# KiCad board ui.kicad_pcb (continued)
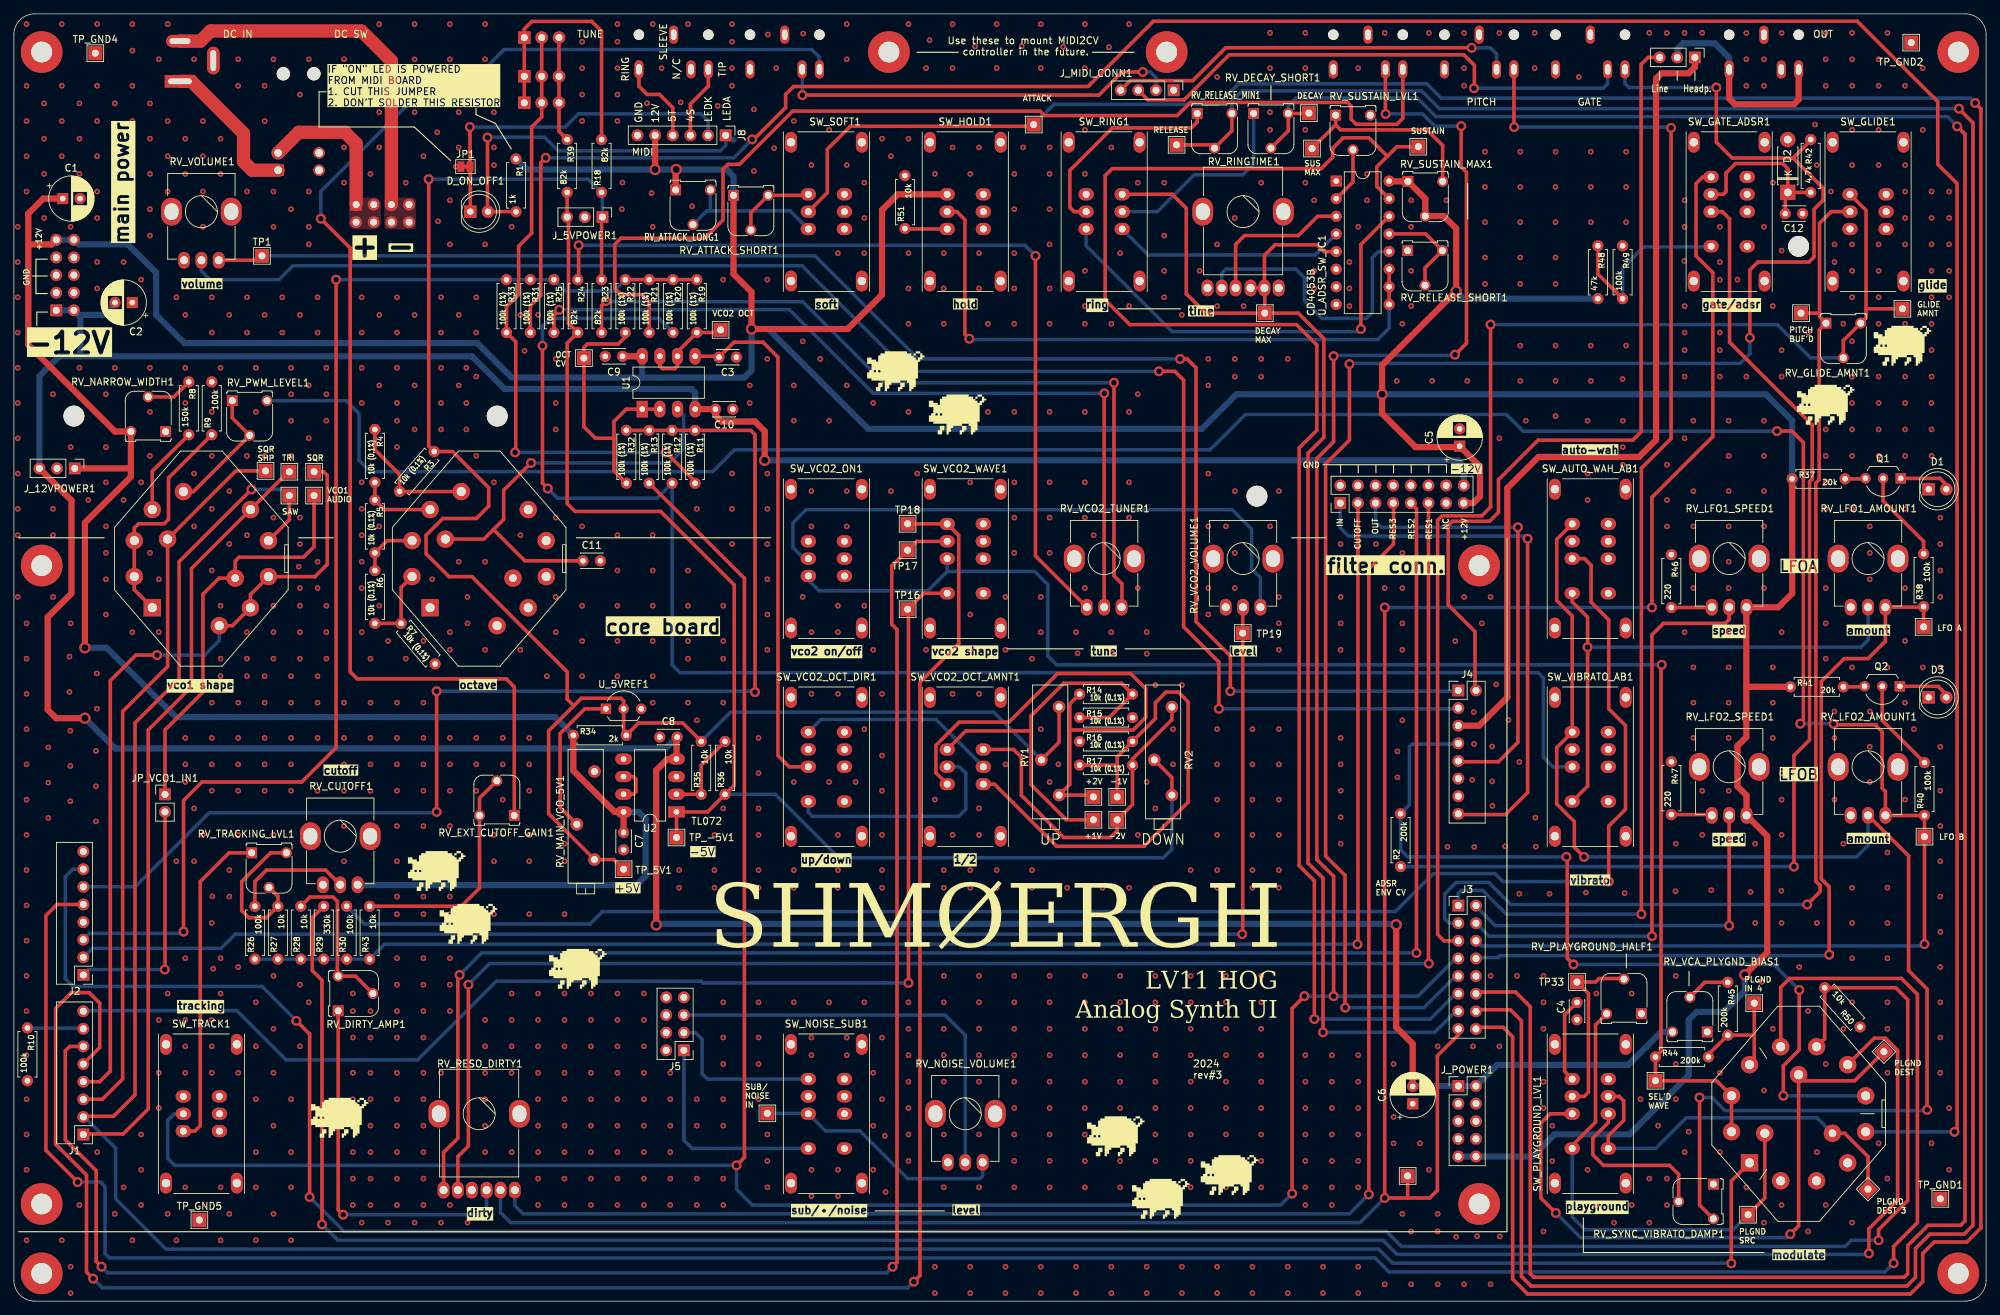
[diagram p0: board, top side]
## Placement (name value [footprint] x y rotation side) (continued)
U2  TL072  [DIP-8_W7.62mm_LongPads]  95.41 70.5 180 top
U_5VREF1  LM336Z5  [TO-92L_Inline_Wide]  85.26 85.35 0 top
U_ADSR_SW_IC1  CD4053B  [DIP-16_W7.62mm]  190.41 161.41 0 top

## Library data of the parts
C1 C2 = -: Part No.: 80-ESS107M025AE2AA; Part URL: https://mou.sr/3ZTs1yq; Vendor: Mouser; ki_fp_filters: CP_*
C3 = -: Part No.: 594-K102M15X7RF53L2; Part URL: https://mou.sr/3OTl4qX; Vendor: Mouser; ki_fp_filters: C_*
C4 = -: Part No.: 594-K103K15X7RF5TK2; Part URL: https://mou.sr/49C1dG8; Vendor: Mouser; ki_fp_filters: C_*
C5 C6 = -: Part No.: 667-ECE-A1VKS470I; Part URL: https://mou.sr/4iyQHDI; Vendor: Mouser; ki_fp_filters: CP_*
C7-C10 = -: Part No.: 594-K103K15X7RF5TK2; Part URL: https://mou.sr/3VFZIRH; Vendor: Mouser; ki_fp_filters: C_*
C11 = -: ki_fp_filters: C_*
C12 = -: Part No.: 80-C315C474K5R; Part URL: https://mou.sr/4ggiw21; Vendor: Mouser; ki_fp_filters: C_*
D1 D3 D_ON_OFF1 = -: Part No.: 859-LTL-1CHG; Part URL: https://mou.sr/3OXMWKk; Vendor: Mouser; ki_fp_filters: LED* LED_SMD:* LED_THT:*
D2 = -: Part No.: 625-BZX85C8V2; Part URL: https://mou.sr/3DeplTn; Vendor: Mouser; ki_fp_filters: TO-???* *_Diode_* *SingleDiode* D_*
H1-H14 = -: ki_fp_filters: MountingHole*
J1-J4 J_FILTER_CONN1 = -: Part No.: 649-1012938191601BLF; Part URL: https://mou.sr/3ZS3vh3; Vendor: Mouser; ki_fp_filters: Connector*:*_2x??_*
J5 = -: Part No.: 737-PH2-08-UA; Part URL: https://mou.sr/4gxLnib; Vendor: Mouser; ki_fp_filters: Connector*:*_2x??_*
J6 = -: Part No.: 710-694106301002; Part URL: https://mou.sr/4a9ckVQ; Vendor: Mouser; ki_fp_filters: BarrelJack*
J8 = -: Description: Generic connector, single row, 01x06, script generated (kicad-library-utils/schlib/autogen/connector/); Part No.: 737-PH1-20-UA; Part URL: https://mou.sr/4gqTRHQ; Vendor: Mouser; ki_fp_filters: Connector*:*_1x??_*
J9 = -: Description: Generic connector, double row, 02x04, odd/even pin numbering scheme (row 1 odd numbers, row 2 even numbers), script generated (kicad-library-utils/schlib/autogen/connector/); Part No.: 737-PH2-08-UA; Part URL: https://mou.sr/4gxLnib; Vendor: Mouser; ki_fp_filters: Connector*:*_2x??_*
J_5VPOWER1 J_12VPOWER1 = -: ki_fp_filters: Connector*:*_1x??_*
J_EXT_CUTOFF1 J_GATE1 J_HEADPHONES1 J_MIDI_IN1 J_PITCH1 J_VCO2_PITCH1 = -: Description: 3.5 mm Right-Angle Stereo Jack, 4 Pin PCB Mount, Isolated Ground; Availability: In Stock; CUI_purchase_URL: https://www.cuidevices.com/product/interconnect/connectors/audio-connectors/jacks/sj1-3554ng?utm_source=snapeda.com&utm_medium=referral&utm_campaign=snapedaBOM; Check_prices: https://www.snapeda.com/parts/SJ1-3554NG/CUI+Devices/view-part/?ref=eda; MANUFACTURER: CUI Devices; MAXIMUM_PACKAGE_HEIGHT: 10 mm; MF: CUI Devices; PARTREV: 1.05; Package: None; Price: None; STANDARD: Manufacturer Recommendations; SnapEDA_Link: https://www.snapeda.com/parts/SJ1-3554NG/CUI+Devices/view-part/?ref=snap; Part No.: 490-SJ1-3554NG; Part URL: https://mou.sr/3Qs21VB; Vendor: Mouser
J_MAIN_POWER1 J_POWER1 = -: Part No.: 737-PH2-10-UA; Part URL: https://mou.sr/3D13TAT; Vendor: Mouser; ki_fp_filters: Connector*:*_2x??_*
J_MIDI_CONN1 = -: Description: Break from leftover of J8; ki_fp_filters: Connector*:*_1x??_*
JP1 = -: Description: Jumper, 2-pole, open; ki_fp_filters: Jumper* TestPoint*2Pads* TestPoint*Bridge*
JP_PHO-LINE1 = -: Description: Break from leftover of J8; ki_fp_filters: Jumper* TestPoint*3Pads* TestPoint*Bridge*
JP_VCO1_IN1 = -: Description: Break from J8; ki_fp_filters: Jumper* TestPoint*2Pads* TestPoint*Bridge*
Q1 Q2 = -: Datasheet: https://www.tme.eu/Document/12bff749841e3a356e683e9a8e7e4119/2N3904BU-DTE.pdf; Part No.: 637-2N3904; Part URL: https://mou.sr/4febysZ; Vendor: Mouser
R1 = -: Part No.: 303-MF0W4FF1001A10; Part URL: https://mou.sr/3ZUsGjh; Vendor: Mouser; ki_fp_filters: R_*
R2 R44 R45 = -: Part No.: 603-MFR-25FTF52-200K; Part URL: https://mou.sr/49BK9jG; Vendor: Mouser; ki_fp_filters: R_*
R3-R7 R14-R17 = -: Part No.: 660-MF1/4CCT52R1002B; Part URL: https://mou.sr/4fj3JT3; Vendor: Mouser; ki_fp_filters: R_*
R8 = -: Part No.: 303-MF0W4FF1503B00; Part URL: https://mou.sr/3BpW47z; Vendor: Mouser; ki_fp_filters: R_*
R9-R13 R19-R22 R25 R26 R30-R33 R38 R40 R49 = -: Part No.: 303-MF0W4FF1003T50; Part URL: https://mou.sr/3BGpE8K; Vendor: Mouser; ki_fp_filters: R_*
R18 R23 R24 R39 = -: Part No.: 303-MF0W4FF8202B00; Part URL: https://mou.sr/3Djf3kL; Vendor: Mouser; ki_fp_filters: R_*
R27 R28 R35 R36 R43 R50 R51 = -: Part No.: 303-MF0W4FF1002T50; Part URL: https://mou.sr/3VFoGR5; Vendor: Mouser; ki_fp_filters: R_*
R29 = -: Part No.: 303-MF0W4FF3303B00; Part URL: https://mou.sr/3Zu4Yss; Vendor: Mouser; ki_fp_filters: R_*
R34 = -: Part No.: 303-CFR0W4J0202B00; Part URL: https://mou.sr/3BpNNAx; Vendor: Mouser; ki_fp_filters: R_*
R37 R41 = -: Part No.: 303-MF0W4FF1002T50; Part URL: https://mou.sr/3DjJ444; Vendor: Mouser; ki_fp_filters: R_*
R42 = -: Part No.: 303-MF0W4FF4701A10; Part URL: https://mou.sr/4fkq2ri; Vendor: Mouser; ki_fp_filters: R_*
R46 R47 = -: Part No.: 303-MF0W4FF2200B00; Part URL: https://mou.sr/4iu83Sh; Vendor: Mouser; ki_fp_filters: R_*
R48 = -: Part No.: 303-CFR0W4J0473B00; Part URL: https://mou.sr/49BslVE; Vendor: Mouser; ki_fp_filters: R_*
RV1 RV2 = -: Part No.: 652-3006P-1-503-LF; Part URL: https://mou.sr/3ZEVzhM; Vendor: Mouser; ki_fp_filters: Potentiometer*
RV_ATTACK_LONG1 RV_DECAY_SHORT1 RV_DIRTY_AMP1 RV_EXT_CUTOFF_GAIN1 RV_GLIDE_AMNT1 RV_NARROW_WIDTH1 RV_PLAYGROUND_HALF1 RV_RELEASE_MIN1 RV_RELEASE_SHORT1 RV_SUSTAIN_LVL1 RV_SYNC_VIBRATO_DAMP1 RV_TRACKING_LVL1 RV_VCA_PLYGND_BIAS1 = -: Part No.: 652-3306F-1-104; Part URL: https://mou.sr/3OVBYFf; Vendor: Mouser; ki_fp_filters: Potentiometer*
RV_ATTACK_SHORT1 = -: Part No.: 652-3306F-1-103; Part URL: https://mou.sr/41GreC6; Vendor: Mouser; ki_fp_filters: Potentiometer*
RV_CUTOFF1 RV_VCO2_TUNER1 = -: Part No.: 652-PTV09A4025FB104; Part URL: https://mou.sr/3Us6dpJ; Vendor: Mouser; ki_fp_filters: Potentiometer*
RV_FINE_TUNE1 = -: Part No.: PTD901-1015K-B103; Part URL: https://mou.sr/4aB7CRn; Vendor: Mouser; ki_fp_filters: Potentiometer*
RV_LFO1_AMOUNT1 RV_LFO1_SPEED1 RV_LFO2_AMOUNT1 RV_LFO2_SPEED1 RV_NOISE_VOLUME1 RV_VCO2_VOLUME1 = -: Part No.: 652-PTV09A-4025UA104; Part URL: https://mou.sr/44vDepN; Vendor: Mouser; ki_fp_filters: Potentiometer*
RV_MAIN_VCO_5V1 = -: Part No.: 652-3006P-1-103-LF; Part URL: https://mou.sr/41xh2vW; Vendor: Mouser; ki_fp_filters: Potentiometer*
RV_PWM_LEVEL1 RV_SUSTAIN_MAX1 = -: Part No.: 652-3306F-1-204; Part URL: https://mou.sr/3P2IKcd; Vendor: Mouser; ki_fp_filters: Potentiometer*
RV_RESO_DIRTY1 = -: Mouser: https://hu.mouser.com/ProductDetail/Bourns/PTV112-4420A-A104?qs=nqw9FAyaR8O62wln9B5%2Frg%3D%3D; Part No.: 652-PTV112-4425AB503; Part URL: https://mou.sr/3UKAAJn; Vendor: Mouser; ki_fp_filters: Potentiometer*
RV_RINGTIME1 = -: Part No.: 652-PTV1124420AA504; Part URL: https://mou.sr/47iqFh2; Vendor: Mouser; ki_fp_filters: Potentiometer*
RV_VOLUME1 = -: Part No.: 652-PTV09A4025FA103; Part URL: https://mou.sr/4bCOV0e; Vendor: Mouser; ki_fp_filters: Potentiometer*
S1 = -: Description: Pushbutton Switch, DPST,OFF-ON, Round Actuator,3A,30VDC, R/A PC, PB400 Series | E-Switch PB400EEQR1BLK; Availability: In Stock; Check_prices: https://www.snapeda.com/parts/PB400EEQR1BLK/E-Switch/view-part/?ref=eda; MANUFACTURER: E-Switch; MAXIMUM_PACKAGE_HEIGHT: 10.6 mm; MF: E-Switch; PARTREV: A; Package: None; Price: None; STANDARD: Manufacturer Recommendations; SnapEDA_Link: https://www.snapeda.com/parts/PB400EEQR1BLK/E-Switch/view-part/?ref=snap; Part No.: 612-PB400EEQR1BLK; Part URL: https://mou.sr/3TDv9tV; Vendor: Mouser
SW_AUTO_WAH_AB1 SW_GATE_ADSR1 SW_NOISE_SUB1 SW_PLAYGROUND_LVL1 SW_VCO2_OCT_DIR1 SW_VCO2_WAVE1 SW_VIBRATO_AB1 = -: Description: NOTE: The availability of this product changing quite often. Look for the part number or just "ON-ON-ON toggle" on Aliexpress or Alibaba; Part No.: TS23-E02; Part URL: https://www.aliexpress.com/item/32958319752.html?spm=a2g0o.order_detail.order_detail_item.7.48b7f19cBbwOXu; Vendor: Daier; ki_fp_filters: SW* DP3T*
SW_GLIDE1 SW_HOLD1 SW_RING1 SW_SOFT1 SW_TRACK1 SW_VCO2_OCT_AMNT1 SW_VCO2_ON1 = -: Description: NOTE: The availability of this product changing quite often. Look for the part number or just "ON-ON toggle" on Aliexpress or Alibaba; Part No.: TS-22E01AT15; Part URL: https://www.aliexpress.com/item/32955400123.html?spm=a2g0o.order_detail.order_detail_item.9.48b7f19cHFLucI; Vendor: Daier; Product URL: https://www.chinadaier.com/6-pin-slide-switch/; ki_fp_filters: SW*DPDT*
SW_OCTAVE1 SW_WAVESHAPE1 = -: Datasheet: http://cdn-reichelt.de/documents/datenblatt/C200/DS-Serie%23LOR.pdf; Part No.: 105-SR2512F-25NS; Part URL: https://mou.sr/49HHdSv; Vendor: Mouser
SW_PLAYGROUND1 = -: Part No.: 105-SR2512F-34NS; Part URL: https://mou.sr/3wb0uwA; Vendor: Mouser
TP1-TP29 TP31-TP35 TP_5V1 TP_-5V1 TP_GND1 TP_GND2 TP_GND4 TP_GND5 = -: ki_fp_filters: Pin* Test*
U1 U2 = -: Datasheet: http://www.ti.com/lit/ds/symlink/tl071.pdf; ki_fp_filters: SOIC*3.9x4.9mm*P1.27mm* DIP*W7.62mm* TO*99* OnSemi*Micro8* TSSOP*3x3mm*P0.65mm* TSSOP*4.4x3mm*P0.65mm* MSOP*3x3mm*P0.65mm* SSOP*3.9x4.9mm*P0.635mm* LFCSP*2x2mm*P0.5mm* *SIP* SOIC*5.3x6.2mm*P1.27mm*
U_5VREF1 = -: Datasheet: http://www.ti.com/lit/ds/symlink/ref3033.pdf; Arwill: https://arwill.hu/termekek/felvezetok/ic-k/analog/lm336z-5-integralt-aramkor-690028/; Part No.: 926-LM336Z-50/NOPB; Part URL: https://mou.sr/3y3TEcP; Vendor: Mouser; ki_fp_filters: SOT?23*
U_ADSR_SW_IC1 = -: Datasheet: http://www.ti.com/lit/ds/symlink/cd4052b.pdf; Part No.: 595-CD4053BE; Part URL: https://mou.sr/4a7avII; Vendor: Mouser; ki_fp_filters: TSSOP*4.4x5mm*P0.65mm* DIP*W7.62* SOIC*3.9x9.9mm*P1.27mm* SO*5.3x10.2mm*P1.27mm*

## Footprints (pads in the part's own frame, mm; a bottom-side part is the same pattern mirrored in y, then rotated)
BarrelJack_Wuerth_6941xx301002
  rect 4.4x1.8 hole 3.4x0.8: 1(0,0)
  oval 4x1.8 hole 3x0.8: 2(0,-5.8)
  oval 1.8x4 hole 0.8x3: 3(4.8,-3)
C_Disc_D3.0mm_W2.0mm_P2.50mm
  round 1.6 hole 0.8: 1(0,0) 2(2.5,0)
CP_Radial_D6.3mm_P2.50mm
  rect 1.6x1.6 hole 0.8: 1(0,0)
  round 1.6 hole 0.8: 2(2.5,0)
CUI_SJ1-3554NG
  round 1.5 hole 1.5 unplated: (0,-5) (0,5)
  oval 2.616x1.308 hole 1.5x0.8: 1(0,0) 2(5,-5) 3(5,5) 4(5,-2.5)
D_DO-41_SOD81_P7.62mm_Horizontal
  rect 2.2x2.2 hole 1.1: 1(0,0)
  oval 2.2x2.2 hole 1.1: 2(7.62,0)
DIP-8_W7.62mm_LongPads
  rect 2.4x1.6 hole 0.8: 1(0,0)
  oval 2.4x1.6 hole 0.8: 2(0,-2.54) 3(0,-5.08) 4(0,-7.62) 5(7.62,-7.62) 6(7.62,-5.08) 7(7.62,-2.54) 8(7.62,0)
DIP-16_W7.62mm
  rect 1.6x1.6 hole 0.8: 1(0,0)
  oval 1.6x1.6 hole 0.8: 2(0,-2.54) 3(0,-5.08) 4(0,-7.62) 5(0,-10.16) 6(0,-12.7) 7(0,-15.24) 8(0,-17.78) 9(7.62,-17.78) 10(7.62,-15.24) 11(7.62,-12.7) 12(7.62,-10.16) 13(7.62,-7.62) 14(7.62,-5.08) 15(7.62,-2.54) 16(7.62,0)
DP3T Korg Style Switch
  oval 1.7x3 hole 1.2: (-5.1,10) (-5.1,-10) (5.1,10) (5.1,-10)
  oval 2.2x1.75 hole 1: 1(-2.6,5) 2(-2.6,2.5) 3(-2.6,0) 4(-2.6,-5) 5(2.6,5) 6(2.6,2.5) 7(2.6,0) 8(2.6,-5)
DPDT Korg Style Switch
  oval 1.7x3 hole 1.2: (-5.1,10) (-5.1,-10) (5.1,10) (5.1,-10)
  oval 2.2x1.75 hole 1: 1(-2.6,2.5) 2(2.6,2.5) 3(-2.6,0) 4(2.6,0) 5(-2.6,-2.5) 6(2.6,-2.5)
LED_D5.0mm
  rect 1.8x1.8 hole 0.9: 1(0,0)
  round 1.8 hole 0.9: 2(2.54,0)
MountingHole_3mm
  round 3 hole 3 unplated: (0,0)
MountingHole_3mm_Pad
  round 6 hole 3: 1(0,0)
PinHeader_1x02_P2.54mm_Vertical
  rect 1.7x1.7 hole 1: 1(0,0)
  oval 1.7x1.7 hole 1: 2(0,-2.54)
PinHeader_1x03_P2.54mm_Vertical
  rect 1.7x1.7 hole 1: 1(0,0)
  oval 1.7x1.7 hole 1: 2(0,-2.54) 3(0,-5.08)
PinHeader_1x04_P2.54mm_Vertical
  rect 1.7x1.7 hole 1: 1(0,0)
  oval 1.7x1.7 hole 1: 2(0,-2.54) 3(0,-5.08) 4(0,-7.62)
PinHeader_1x06_P2.54mm_Vertical
  rect 1.7x1.7 hole 1: 1(0,0)
  oval 1.7x1.7 hole 1: 2(0,-2.54) 3(0,-5.08) 4(0,-7.62) 5(0,-10.16) 6(0,-12.7)
PinHeader_2x04_P2.54mm_Vertical
  rect 1.7x1.7 hole 1: 1(0,0)
  oval 1.7x1.7 hole 1: 2(2.54,0) 3(0,-2.54) 4(2.54,-2.54) 5(0,-5.08) 6(2.54,-5.08) 7(0,-7.62) 8(2.54,-7.62)
PinHeader_2x05_P2.54mm_Vertical
  rect 1.7x1.7 hole 1: 1(0,0)
  oval 1.7x1.7 hole 1: 2(2.54,0) 3(0,-2.54) 4(2.54,-2.54) 5(0,-5.08) 6(2.54,-5.08) 7(0,-7.62) 8(2.54,-7.62) 9(0,-10.16) 10(2.54,-10.16)
PinHeader_2x08_P2.54mm_Vertical
  rect 1.7x1.7 hole 1: 1(0,0)
  oval 1.7x1.7 hole 1: 3(0,-2.54) 5(0,-5.08) 7(0,-7.62) 9(0,-10.16) 11(0,-12.7) 13(0,-15.24) 15(0,-17.78)
PinHeader_2x08_P2.54mm_Vertical#2
  rect 1.7x1.7 hole 1: 1(0,0)
  oval 1.7x1.7 hole 1: 2(2.54,0) 3(0,-2.54) 4(2.54,-2.54) 5(0,-5.08) 6(2.54,-5.08) 7(0,-7.62) 8(2.54,-7.62) 9(0,-10.16) 10(2.54,-10.16) 11(0,-12.7) 12(2.54,-12.7) 13(0,-15.24) 14(2.54,-15.24) 15(0,-17.78) 16(2.54,-17.78)
PinHeader_2x08_P2.54mm_Vertical#3
  rect 1.7x1.7 hole 1: 1(0,0)
  oval 1.7x1.7 hole 1: 2(2.54,0) 3(0,-2.54) 5(0,-5.08) 7(0,-7.62) 9(0,-10.16) 11(0,-12.7) 13(0,-15.24) 15(0,-17.78)
Potentiometer_Bourns_3006P_Horizontal
  round 1.8 hole 1: 1(0,0) 2(-7.62,2.54) 3(-12.7,0)
Potentiometer_Bourns_Dual-PTV112-4
  oval 3x4 hole 2x2.4: (-5.8,0) (5.8,0)
  oval 1.7x2.4 hole 1.15: 1(-3.075,-11) 2(-5.125,-11) 3(5.125,-11) 4(-1.075,-11) 5(1.075,-11) 6(3.075,-11)
Potentiometer_Bourns_PTD901-2015_Single_Horizontal
  rect 1.8x1.8 hole 1: 1(-5.588,0) 1(0,0) 1(3.81,0)
  round 1.8 hole 1: 2(-5.588,-2.5) 2(0,-2.5) 2(3.81,-2.5) 3(-5.588,-5) 3(0,-5) 3(3.81,-5)
Potentiometer_Bourns_Single-PTV09A
  oval 3x4 hole 2x2.4: (-4.3,0) (4.3,0)
  oval 1.7x2.4 hole 1.15: 1(-2.5,-7) 2(0,-7) 3(2.5,-7)
Potentiometer_Runtron_RM-065_Vertical
  rect 1.56x1.56 hole 1: 1(0,0)
  round 1.56 hole 1: 2(2.5,-5) 3(5,0)
R_Axial_DIN0207_L6.3mm_D2.5mm_P7.62mm_Horizontal
  round 1.6 hole 0.8: 1(0,0)
  oval 1.6x1.6 hole 0.8: 2(7.62,0)
SolderJumper-2_P1.3mm_Bridged_Pad1.0x1.5mm
  rect 1x1.5 smd: 1(-0.65,0) 2(0.65,0)
SW_PB400EEQR1BLK
  round 1.9 hole 1.9 unplated: (12.65,-2.2) (12.65,2.2)
  rect 1.65x1.65 hole 1.1: 1(-1.25,-2.95)
  round 1.65 hole 1.1: 2(1.25,-2.95) 3(-1.25,2.95) 4(1.25,2.95)
SW_SR2512F-2x5-rotary
  rect 2.5x2.5 hole 1.3: 1(-7.069,-7.073)
  round 2.5 hole 1.3: 2(-9.66,-2.586) 3(-9.658,2.595) 4(-7.071,7.071) 5(-2.581,9.661) 6(7.072,7.07) 7(9.659,2.588) 8(9.658,-2.593) 9(7.062,-7.08) 10(2.576,-9.662) 11(-4.87,2.814)
  round 2.5 hole 1.1: 12(4.871,-2.814)
SW_SR2512F-3x4-rotary
  rect 2.5x2.5 hole 1.3: 1(-7.069,-7.073)
  round 2.5 hole 1.3: 2(-9.66,-2.586) 3(-9.658,2.595) 4(-7.071,7.071) 5(-2.581,9.661) 6(2.588,9.659) 7(7.072,7.07) 8(9.659,2.588) 9(9.658,-2.593) 10(7.062,-7.08) 11(2.576,-9.662) 12(-2.58,-9.662) 13(-4.872,-2.812) 14(0,5.625)
  round 2.5 hole 1.1: 15(4.871,-2.814)
TestPoint_THTPad_2.0x2.0mm_Drill1.0mm
  rect 2x2 hole 1: 1(0,0)
TO-92L_Inline_Wide
  rect 1.5x1.5 hole 0.8: 1(0,0)
  round 1.5 hole 0.8: 2(2.54,0) 3(5.08,0)

## Nets
+5V: J_5VPOWER1.1 R3.1 R18.1 R23.1 R34.2 R35.2 RV1.1 RV1.2 RV_MAIN_VCO_5V1.3 TP_5V1.1 U_5VREF1.2
+12V: C1.1 C5.1 C7.1 C9.1 J8.5 J_12VPOWER1.1 J_FILTER_CONN1.15 J_MAIN_POWER1.9 J_MAIN_POWER1.10 J_POWER1.9 J_POWER1.10 R1.1 R34.1 R37.1 R41.1 R48.2 RV_ATTACK_LONG1.1 RV_ATTACK_SHORT1.1 RV_CUTOFF1.3 RV_LFO1_SPEED1.3 RV_LFO2_SPEED1.3 RV_NARROW_WIDTH1.3 RV_SUSTAIN_MAX1.1 RV_SUSTAIN_MAX1.2 SW_HOLD1.1 U1.8 U2.8 U_ADSR_SW_IC1.16
-5V: J_5VPOWER1.3 R24.2 R36.1 R39.2 RV2.2 RV2.3 TP_-5V1.1 U2.1
-12V: C2.2 C6.2 C8.2 C10.2 J_12VPOWER1.3 J_FILTER_CONN1.16 J_MAIN_POWER1.1 J_MAIN_POWER1.2 J_POWER1.1 J_POWER1.2 RV_VCA_PLYGND_BIAS1.3 U1.4 U2.4
/Power/12VDC_SW_NEG: J6.2 J9.5 J9.6 J9.7 J9.8
/Power/12VDC_SW_POS: J9.1 J9.2 J9.3 J9.4 S1.2
/Power/12VDC_WALLWART: J6.1 S1.1
GND: C1.2 C2.1 C3.2 C4.2 C5.2 C6.1 C7.2 C8.1 C9.2 C10.1 C11.2 C12.2 D1.1 D2.2 D3.1 J8.6 J_5VPOWER1.2 J_12VPOWER1.2 J_EXT_CUTOFF1.1 J_FILTER_CONN1.2 J_FILTER_CONN1.4 J_FILTER_CONN1.6 J_FILTER_CONN1.8 J_FILTER_CONN1.10 J_FILTER_CONN1.12 J_FILTER_CONN1.14 J_GATE1.1 J_HEADPHONES1.1 J_MAIN_POWER1.3 J_MAIN_POWER1.4 J_MAIN_POWER1.5 J_MAIN_POWER1.6 J_MAIN_POWER1.7 J_MAIN_POWER1.8 J_MIDI_IN1.1 J_PITCH1.1 J_POWER1.3 J_POWER1.4 J_POWER1.5 J_POWER1.6 J_POWER1.7 J_POWER1.8 J_VCO2_PITCH1.1 JP1.1 R7.2 R9.2 R10.2 R15.2 R16.1 R46.1 R47.1 R49.1 R50.1 R51.2 RV_CUTOFF1.1 RV_LFO1_AMOUNT1.1 RV_LFO2_AMOUNT1.1 RV_MAIN_VCO_5V1.1 RV_NARROW_WIDTH1.1 RV_NOISE_VOLUME1.1 RV_PLAYGROUND_HALF1.1 RV_RELEASE_SHORT1.1 RV_RESO_DIRTY1.4 RV_RINGTIME1.2 RV_RINGTIME1.3 RV_SUSTAIN_LVL1.3 RV_SYNC_VIBRATO_DAMP1.1 RV_VCA_PLYGND_BIAS1.1 RV_VCO2_VOLUME1.1 RV_VOLUME1.1 SW_AUTO_WAH_AB1.2 SW_NOISE_SUB1.2 SW_OCTAVE1.1 SW_PLAYGROUND_LVL1.5 SW_RING1.1 SW_VCO2_OCT_DIR1.2 SW_VCO2_ON1.1 SW_VIBRATO_AB1.2 TP_GND1.1 TP_GND2.1 TP_GND4.1 TP_GND5.1 U2.3 U2.5 U_5VREF1.3 U_ADSR_SW_IC1.1 U_ADSR_SW_IC1.6 U_ADSR_SW_IC1.7 U_ADSR_SW_IC1.8
/Filter/AUTO_WAH_CV: R30.2 SW_AUTO_WAH_AB1.3
/Filter/PLAYGROUND_CV: R29.2 SW_PLAYGROUND1.7
/IO/MIDI_4R: J8.4 J_MIDI_IN1.3
/IO/MIDI_5T: J8.3 J_MIDI_IN1.2
/IO/MIDI_GATE_A: J_GATE1.4 J_MIDI_CONN1.3
/IO/MIDI_PITCH_A: J_MIDI_CONN1.4 J_PITCH1.4
/IO/MIDI_PITCH_B: J_EXT_CUTOFF1.4 J_MIDI_CONN1.2
/LFOs/LFO_B_CV: RV_LFO2_AMOUNT1.2 RV_SYNC_VIBRATO_DAMP1.3 SW_AUTO_WAH_AB1.1 SW_VIBRATO_AB1.1
/LFOs/VIBRATO_CV: R12.2 R20.2 SW_VIBRATO_AB1.3
/Playground/PLAYGROUND_DEST: SW_PLAYGROUND1.14 SW_PLAYGROUND_LVL1.3 TP34.1
/Playground/PLAYGROUND_SOURCE: RV_PLAYGROUND_HALF1.3 SW_PLAYGROUND1.13 SW_PLAYGROUND_LVL1.4 TP32.1
/Playground/VCO2_SELECTED_WAVE: R44.1 SW_PLAYGROUND1.2 SW_PLAYGROUND1.3 SW_VCO2_ON1.5 SW_VCO2_WAVE1.3 TP31.1
/Playground/VCO2_SYNC_VIBRATO_CV: R31.2 SW_PLAYGROUND1.9
/VCO1/OCTAVE_CV: R22.2 R32.2 TP10.1 U1.1 U1.2
ADSR_ENV_CV: J3.15 RV_RESO_DIRTY1.6 SW_GATE_ADSR1.1 TP27.1
ATTACK: J3.16 SW_SOFT1.3 TP5.1
DECAY: J3.12 RV_DECAY_SHORT1.2 RV_DECAY_SHORT1.3 TP7.1
DECAY_MAX: J3.13 RV_RINGTIME1.5 RV_RINGTIME1.6 SW_RING1.2 TP4.1 U_ADSR_SW_IC1.5
EXTERNAL_CUTOFF_CV: J_EXT_CUTOFF1.2 RV_EXT_CUTOFF_GAIN1.1
EXTERNAL_IN: J4.13
FINE_TUNE: R11.2 R33.2 RV_FINE_TUNE1.2
GLIDE_AMOUNT: J3.5 RV_GLIDE_AMNT1.2 RV_GLIDE_AMNT1.3 SW_GLIDE1.1 TP9.1
GLIDED_PITCH: J3.7 J_VCO2_PITCH1.4 R13.2 SW_TRACK1.3
HEADPHONES: J4.5 JP_PHO-LINE1.1
KB_GATE: J3.9 J_GATE1.2 R42.1
KB_PITCH: J3.1 J_PITCH1.2
LED_A(5V): D_ON_OFF1.2 J8.1 R1.2
LED_K(GND): D_ON_OFF1.1 J8.2 JP1.2
LFO_A: J3.8 R38.1 RV_LFO1_AMOUNT1.3 TP25.1
LFO_A_RATE: J3.4 RV_LFO1_SPEED1.2
LFO_B: J3.6 R40.1 RV_LFO2_AMOUNT1.3 RV_PWM_LEVEL1.3 TP26.1
LFO_B_RATE: J3.2 RV_LFO2_SPEED1.2
MAIN_OUT: J4.2 JP_PHO-LINE1.3
MAIN_VOL_IN: J4.3 RV_VOLUME1.2
MAIN_VOL_MAX: J4.1 RV_VOLUME1.3 TP1.1
NOISE: J5.1 SW_NOISE_SUB1.4
NOISE_AUDIO: J5.5 RV_NOISE_VOLUME1.2
PITCH_BUFFERED: J3.3 RV_GLIDE_AMNT1.1 SW_GLIDE1.3 TP8.1
RELEASE: J3.14 RV_RELEASE_MIN1.2 RV_RELEASE_MIN1.3 TP6.1
SUB: J5.3 SW_NOISE_SUB1.1
SUB_AUDIO: J5.7
SUBMIX: J4.15 J_FILTER_CONN1.1
SUSTAIN: J3.11 TP3.1 U_ADSR_SW_IC1.15
VCA_AUDIO_IN: J4.9 J_FILTER_CONN1.5
VCA_ENV_CV: J4.7 R2.2 SW_PLAYGROUND1.8
VCO1_AUDIO: J2.1 JP_VCO1_IN1.2
VCO1_CV: J2.11 R11.1 R12.1 R13.1 R32.1
VCO1_FM: J2.13 R50.2 SW_PLAYGROUND1.6
VCO1_SAW: J1.3 SW_PLAYGROUND1.1 SW_WAVESHAPE1.7 TP13.1
VCO1_SQR: J1.7 SW_WAVESHAPE1.8 SW_WAVESHAPE1.9 SW_WAVESHAPE1.10 TP11.1
VCO1_SQR_SHAPE: J1.5 SW_WAVESHAPE1.11 TP15.1
VCO1_SYNC: J2.15
VCO1_TRI: J1.1 SW_WAVESHAPE1.6 TP12.1
VCO2_AUDIO: J2.3 RV_VCO2_VOLUME1.2 TP19.1
VCO2_CV: J2.5 R19.1 R20.1 R21.1 R22.1 R25.1 R31.1 R33.1
VCO2_FM: J2.7
VCO2_PITCH: J_VCO2_PITCH1.2 R21.2
VCO2_SAW: J1.11 SW_VCO2_WAVE1.2 TP17.1
VCO2_SQR: J1.15 SW_VCO2_WAVE1.4 TP16.1
VCO2_SQR_SHAPE: J1.13 R10.1
VCO2_SYNC: J2.9 SW_PLAYGROUND1.5
VCO2_TRI: J1.9 SW_VCO2_WAVE1.1 TP18.1
Net-(#D2-A): Q1.3 R37.2
Net-(#D4-A): Q2.3 R41.2
Net-(C4-Pad1): C4.1 SW_PLAYGROUND_LVL1.1
Net-(D1-A): D1.2 Q1.1
Net-(D2-K): C12.1 D2.1 R42.2 SW_GATE_ADSR1.2
Net-(D3-A): D3.2 Q2.1
Net-(J_FILTER_CONN1-Pin_3): J_FILTER_CONN1.3 R26.1 R27.1 R28.1 R29.1 R30.1 R43.1
Net-(J_FILTER_CONN1-Pin_7): J_FILTER_CONN1.7 RV_RESO_DIRTY1.3
Net-(J_FILTER_CONN1-Pin_9): J_FILTER_CONN1.9 RV_RESO_DIRTY1.2
Net-(J_FILTER_CONN1-Pin_11): J_FILTER_CONN1.11 RV_RESO_DIRTY1.1
Net-(JP_PHO-LINE1-C): J_HEADPHONES1.2 J_HEADPHONES1.3 JP_PHO-LINE1.2
Net-(JP_VCO1_IN1-A): JP_VCO1_IN1.1 SW_WAVESHAPE1.12 TP14.1
Net-(Q1-B): Q1.2 R38.2
Net-(Q2-B): Q2.2 R40.2
Net-(R2-Pad1): R2.1 SW_GATE_ADSR1.3
Net-(R3-Pad2): R3.2 R4.1 SW_OCTAVE1.5
Net-(R4-Pad2): R4.2 R5.1 SW_OCTAVE1.4
Net-(R5-Pad2): R5.2 R6.1 SW_OCTAVE1.3
Net-(R6-Pad2): R6.2 R7.1 SW_OCTAVE1.2
Net-(R8-Pad1): R8.1 RV_NARROW_WIDTH1.2
Net-(R8-Pad2): R8.2 SW_WAVESHAPE1.4
Net-(R9-Pad1): R9.1 SW_WAVESHAPE1.1 SW_WAVESHAPE1.2 SW_WAVESHAPE1.3
Net-(R18-Pad2): R18.2 RV_FINE_TUNE1.1
Net-(R23-Pad2): R23.2 RV_VCO2_TUNER1.3
Net-(R24-Pad1): R24.1 RV_VCO2_TUNER1.1
Net-(R25-Pad2): R25.2 RV_VCO2_TUNER1.2
Net-(R26-Pad2): R26.2 RV_CUTOFF1.2
Net-(R27-Pad2): R27.2 RV_TRACKING_LVL1.2 RV_TRACKING_LVL1.3
Net-(R28-Pad2): R28.2 RV_DIRTY_AMP1.2 RV_DIRTY_AMP1.3
Net-(R39-Pad1): R39.1 RV_FINE_TUNE1.3
Net-(R43-Pad2): R43.2 RV_EXT_CUTOFF_GAIN1.2 RV_EXT_CUTOFF_GAIN1.3
Net-(R44-Pad2): R44.2 R45.2 SW_PLAYGROUND1.4 TP29.1
Net-(R45-Pad1): R45.1 RV_VCA_PLYGND_BIAS1.2
Net-(R46-Pad2): R46.2 RV_LFO1_SPEED1.1
Net-(R47-Pad2): R47.2 RV_LFO2_SPEED1.1
Net-(R48-Pad1): R48.1 R49.2 SW_GATE_ADSR1.4
Net-(RV_DIRTY_AMP1-Pad1): RV_DIRTY_AMP1.1 RV_RESO_DIRTY1.5
Net-(RV_LFO1_AMOUNT1-Pad2): RV_LFO1_AMOUNT1.2 SW_AUTO_WAH_AB1.4 SW_VIBRATO_AB1.4
Net-(RV_NOISE_VOLUME1-Pad3): RV_NOISE_VOLUME1.3 SW_NOISE_SUB1.3 TP28.1
Net-(RV_PLAYGROUND_HALF1-Pad2): RV_PLAYGROUND_HALF1.2 SW_PLAYGROUND_LVL1.2 TP33.1
Net-(RV_PWM_LEVEL1-Pad1): RV_PWM_LEVEL1.1 RV_PWM_LEVEL1.2 SW_WAVESHAPE1.5
Net-(RV_SUSTAIN_LVL1-Pad1): RV_SUSTAIN_LVL1.1 RV_SUSTAIN_MAX1.3 TP2.1
Net-(RV_SYNC_VIBRATO_DAMP1-Pad2): RV_SYNC_VIBRATO_DAMP1.2 SW_PLAYGROUND_LVL1.7
Net-(SW_HOLD1A-B): SW_HOLD1.3 U_ADSR_SW_IC1.9 U_ADSR_SW_IC1.10 U_ADSR_SW_IC1.11
Net-(SW_HOLD1A-C): R51.1 SW_HOLD1.5
Net-(SW_PLAYGROUND1-Pad15): SW_PLAYGROUND1.15 SW_PLAYGROUND_LVL1.6 SW_PLAYGROUND_LVL1.8 TP35.1
Net-(SW_RING1A-B): RV_RELEASE_MIN1.1 SW_RING1.3
Net-(SW_RING1A-C): SW_RING1.5 U_ADSR_SW_IC1.14
Net-(SW_RING1B-B): RV_DECAY_SHORT1.1 SW_RING1.4
Net-(SW_RING1B-C): SW_RING1.6 U_ADSR_SW_IC1.4
Net-(SW_SOFT1A-A): RV_ATTACK_SHORT1.2 RV_ATTACK_SHORT1.3 SW_SOFT1.1
Net-(SW_SOFT1A-C): RV_ATTACK_LONG1.2 RV_ATTACK_LONG1.3 SW_SOFT1.5
Net-(SW_TRACK1A-C): RV_TRACKING_LVL1.1 SW_TRACK1.5
Net-(SW_VCO2_OCT_AMNT1A-A): R14.2 R15.1 SW_VCO2_OCT_AMNT1.1 TP22.1
Net-(SW_VCO2_OCT_AMNT1A-B): SW_VCO2_OCT_AMNT1.3 SW_VCO2_OCT_DIR1.4
Net-(SW_VCO2_OCT_AMNT1A-C): R14.1 RV1.3 SW_VCO2_OCT_AMNT1.5 TP21.1
Net-(SW_VCO2_OCT_AMNT1B-A): R17.2 RV2.1 SW_VCO2_OCT_AMNT1.2 TP23.1
Net-(SW_VCO2_OCT_AMNT1B-B): SW_VCO2_OCT_AMNT1.4 SW_VCO2_OCT_DIR1.1
Net-(SW_VCO2_OCT_AMNT1B-C): R16.2 R17.1 SW_VCO2_OCT_AMNT1.6 TP24.1
Net-(SW_VCO2_ON1A-B): RV_VCO2_VOLUME1.3 SW_VCO2_ON1.3
Net-(U1A-+): C11.1 SW_OCTAVE1.11 U1.3
Net-(U1B-+): C3.1 SW_VCO2_OCT_DIR1.3 U1.5
Net-(U1B--): R19.2 TP20.1 U1.6 U1.7
Net-(U2A--): R35.1 R36.2 U2.2
Net-(U2B--): U2.6 U2.7
Net-(U_5VREF1-IN): RV_MAIN_VCO_5V1.2 U_5VREF1.1
Net-(U_ADSR_SW_IC1-A0): RV_RINGTIME1.1 U_ADSR_SW_IC1.12
Net-(U_ADSR_SW_IC1-A1): RV_RELEASE_SHORT1.2 RV_RELEASE_SHORT1.3 U_ADSR_SW_IC1.13
Net-(U_ADSR_SW_IC1-B0): RV_SUSTAIN_LVL1.2 U_ADSR_SW_IC1.2
Net-(U_ADSR_SW_IC1-C1): RV_RINGTIME1.4 U_ADSR_SW_IC1.3

Pads without a net: H1 1; H2 1; H3 1; H4 1; H5 1; H6 1; H7 1; H8 1; H13 1; H14 1; J3 10; J4 11; J5 2 4 6 8; J6 3; J_EXT_CUTOFF1 3; J_FILTER_CONN1 13; J_GATE1 3; J_HEADPHONES1 4; J_MIDI_CONN1 1; J_MIDI_IN1 4; J_PITCH1 3; J_VCO2_PITCH1 3; S1 3 4; SW_AUTO_WAH_AB1 5 6 7 8; SW_GATE_ADSR1 5 6 7 8; SW_GLIDE1 2 4 5 6; SW_HOLD1 2 4 6; SW_NOISE_SUB1 5 6 7 8; SW_OCTAVE1 6 7 8 9 10 12; SW_PLAYGROUND1 10 11 12; SW_SOFT1 2 4 6; SW_TRACK1 1 2 4 6; SW_VCO2_OCT_DIR1 5 6 7 8; SW_VCO2_ON1 2 4 6; SW_VCO2_WAVE1 5 6 7 8; SW_VIBRATO_AB1 5 6 7 8

## Via types
v1: diameter 1.626, hole 1.016, Top to Bottom, 11 vias
v2: diameter 0.8, hole 0.4, Top to Bottom, 1392 vias
v3: diameter 1.422, hole 0.813, Top to Bottom, 104 vias

## Routing (per net, layer and track width the routed paths; a pad name or vN(x,y) marks a point on that pad's centre or on a via; arc(x,y) is an arc through that point)
+5V: length 255.6
  Top w0.508: 80.62,85.8 79.67,86.75 79.67,90.69 65.95,104.4 62.65,104.4 59.35,107.7 59.35,110.37 61.76,112.78 66.59,112.78 68.37,114.56 68.37,117.23 63.16,122.43 R3.1 59.73,123.23 v3(59.73,161.68) ; R23.1 84.62,156.09 J_5VPOWER1.1 ; TP_5V1.1 86.4,63.63 RV_MAIN_VCO_5V1.3 77,70.24 77,82.18 81.7,86.88 87.41,86.88 87.8,86.48 U_5VREF1.2 87.8,81.92 R34.2 89.96,83.32 96.31,83.32 R35.2 ; RV1.2 150.5,80.54 RV1.1
  Bottom w0.508: v3(59.73,161.68) 82.72,161.68 84.75,159.65 J_5VPOWER1.1 ; RV1.2 141.09,84.87 103.19,84.87 R35.2
+12V: length 872.2
  Top w0.889: 16.85,120.15 RV_NARROW_WIDTH1.3 14.57,125.31 2.07,137.8 2.07,152.28 ; 16.85,120.15 16.7,120 J_12VPOWER1.1 ; 16.85,120.15 16.85,118.79 10.23,112.17 v1(10.23,94.16) ; v1(249.26,47.03) 252.48,50.25 252.48,67.02 RV_LFO2_SPEED1.3 249.5,72.88 248.2,74.18 248.2,80.02 249.47,81.29 249.47,88.4 ; C1.1 4.23,158.88 2.07,156.72 2.07,152.28 ; v1(95.38,163.07) 95.29,162.99 RV_ATTACK_LONG1.1 ; 2.07,152.28 5.44,152.28 J_MAIN_POWER1.9 ; R37.1 256.07,101.99 254.09,100 RV_LFO1_SPEED1.3 249.47,99.97 249.47,88.4 ; C9.1 90.47,136.15 U1.8 ; 249.47,88.4 249.6,88.53 R41.1 ; C7.1 87.8,70.49 U2.8 86.5,70.5 80.56,76.44 R34.1 ; U_ADSR_SW_IC1.16 198.08,161.36 RV_SUSTAIN_MAX1.1 203.24,158.86 RV_SUSTAIN_MAX1.2 205.89,156.36 207.69,154.57 v1(207.69,145.55) 197.02,134.88 v1(197.02,130.69) 197.02,127.9 201.84,123.07 208.32,123.07 211.12,120.28 211.12,115.96 210.16,115 J_FILTER_CONN1.15 ; v1(92.33,163.07) 92.34,163.08 J8.5 ; RV_ATTACK_SHORT1.1 103.63,148.01 106.21,145.42 v1(106.21,140.09) 120.06,140.09 125.01,145.04 125.01,157.23 127.28,159.5 SW_HOLD1.1
  Bottom w0.889: RV_CUTOFF1.3 49.55,59.95 89.65,59.95 90.97,61.28 90.97,69.48 89.95,70.5 U2.8 ; v1(10.23,94.16) 13.33,94.16 23.33,84.16 77.94,84.16 R34.1 ; J_POWER1.9 J_POWER1.10 218.68,20.84 221.87,24.03 232.67,24.03 233.68,25.05 233.68,25.05 241.18,32.55 241.18,40.54 242.32,41.69 246.22,41.69 249.26,44.73 v1(249.26,47.03) ; RV_ATTACK_SHORT1.1 103.63,162.09 102.65,163.07 v1(95.38,163.07) v1(92.33,163.07) 73.83,163.07 R1.1 ; J_MAIN_POWER1.9 J_MAIN_POWER1.10 9.3,152.28 16.42,152.28 20.49,148.22 20.49,142.12 24.55,138.06 66.72,138.06 71.67,133.1 90.47,133.1 ; U1.8 90.48,133.11 90.47,133.1 ; 90.47,133.1 105.2,133.1 106.21,134.12 v1(106.21,140.09) 108.63,140.09 123.02,125.7 171.07,125.7 176.06,130.69 v1(197.02,130.69) 252.26,130.69 256.07,126.88 R37.1 ; v1(207.69,145.55) 208.78,144.46 R48.2